# Altium PCB MainBoard_6_layers.PcbDoc (part 1 of 6) (continued)
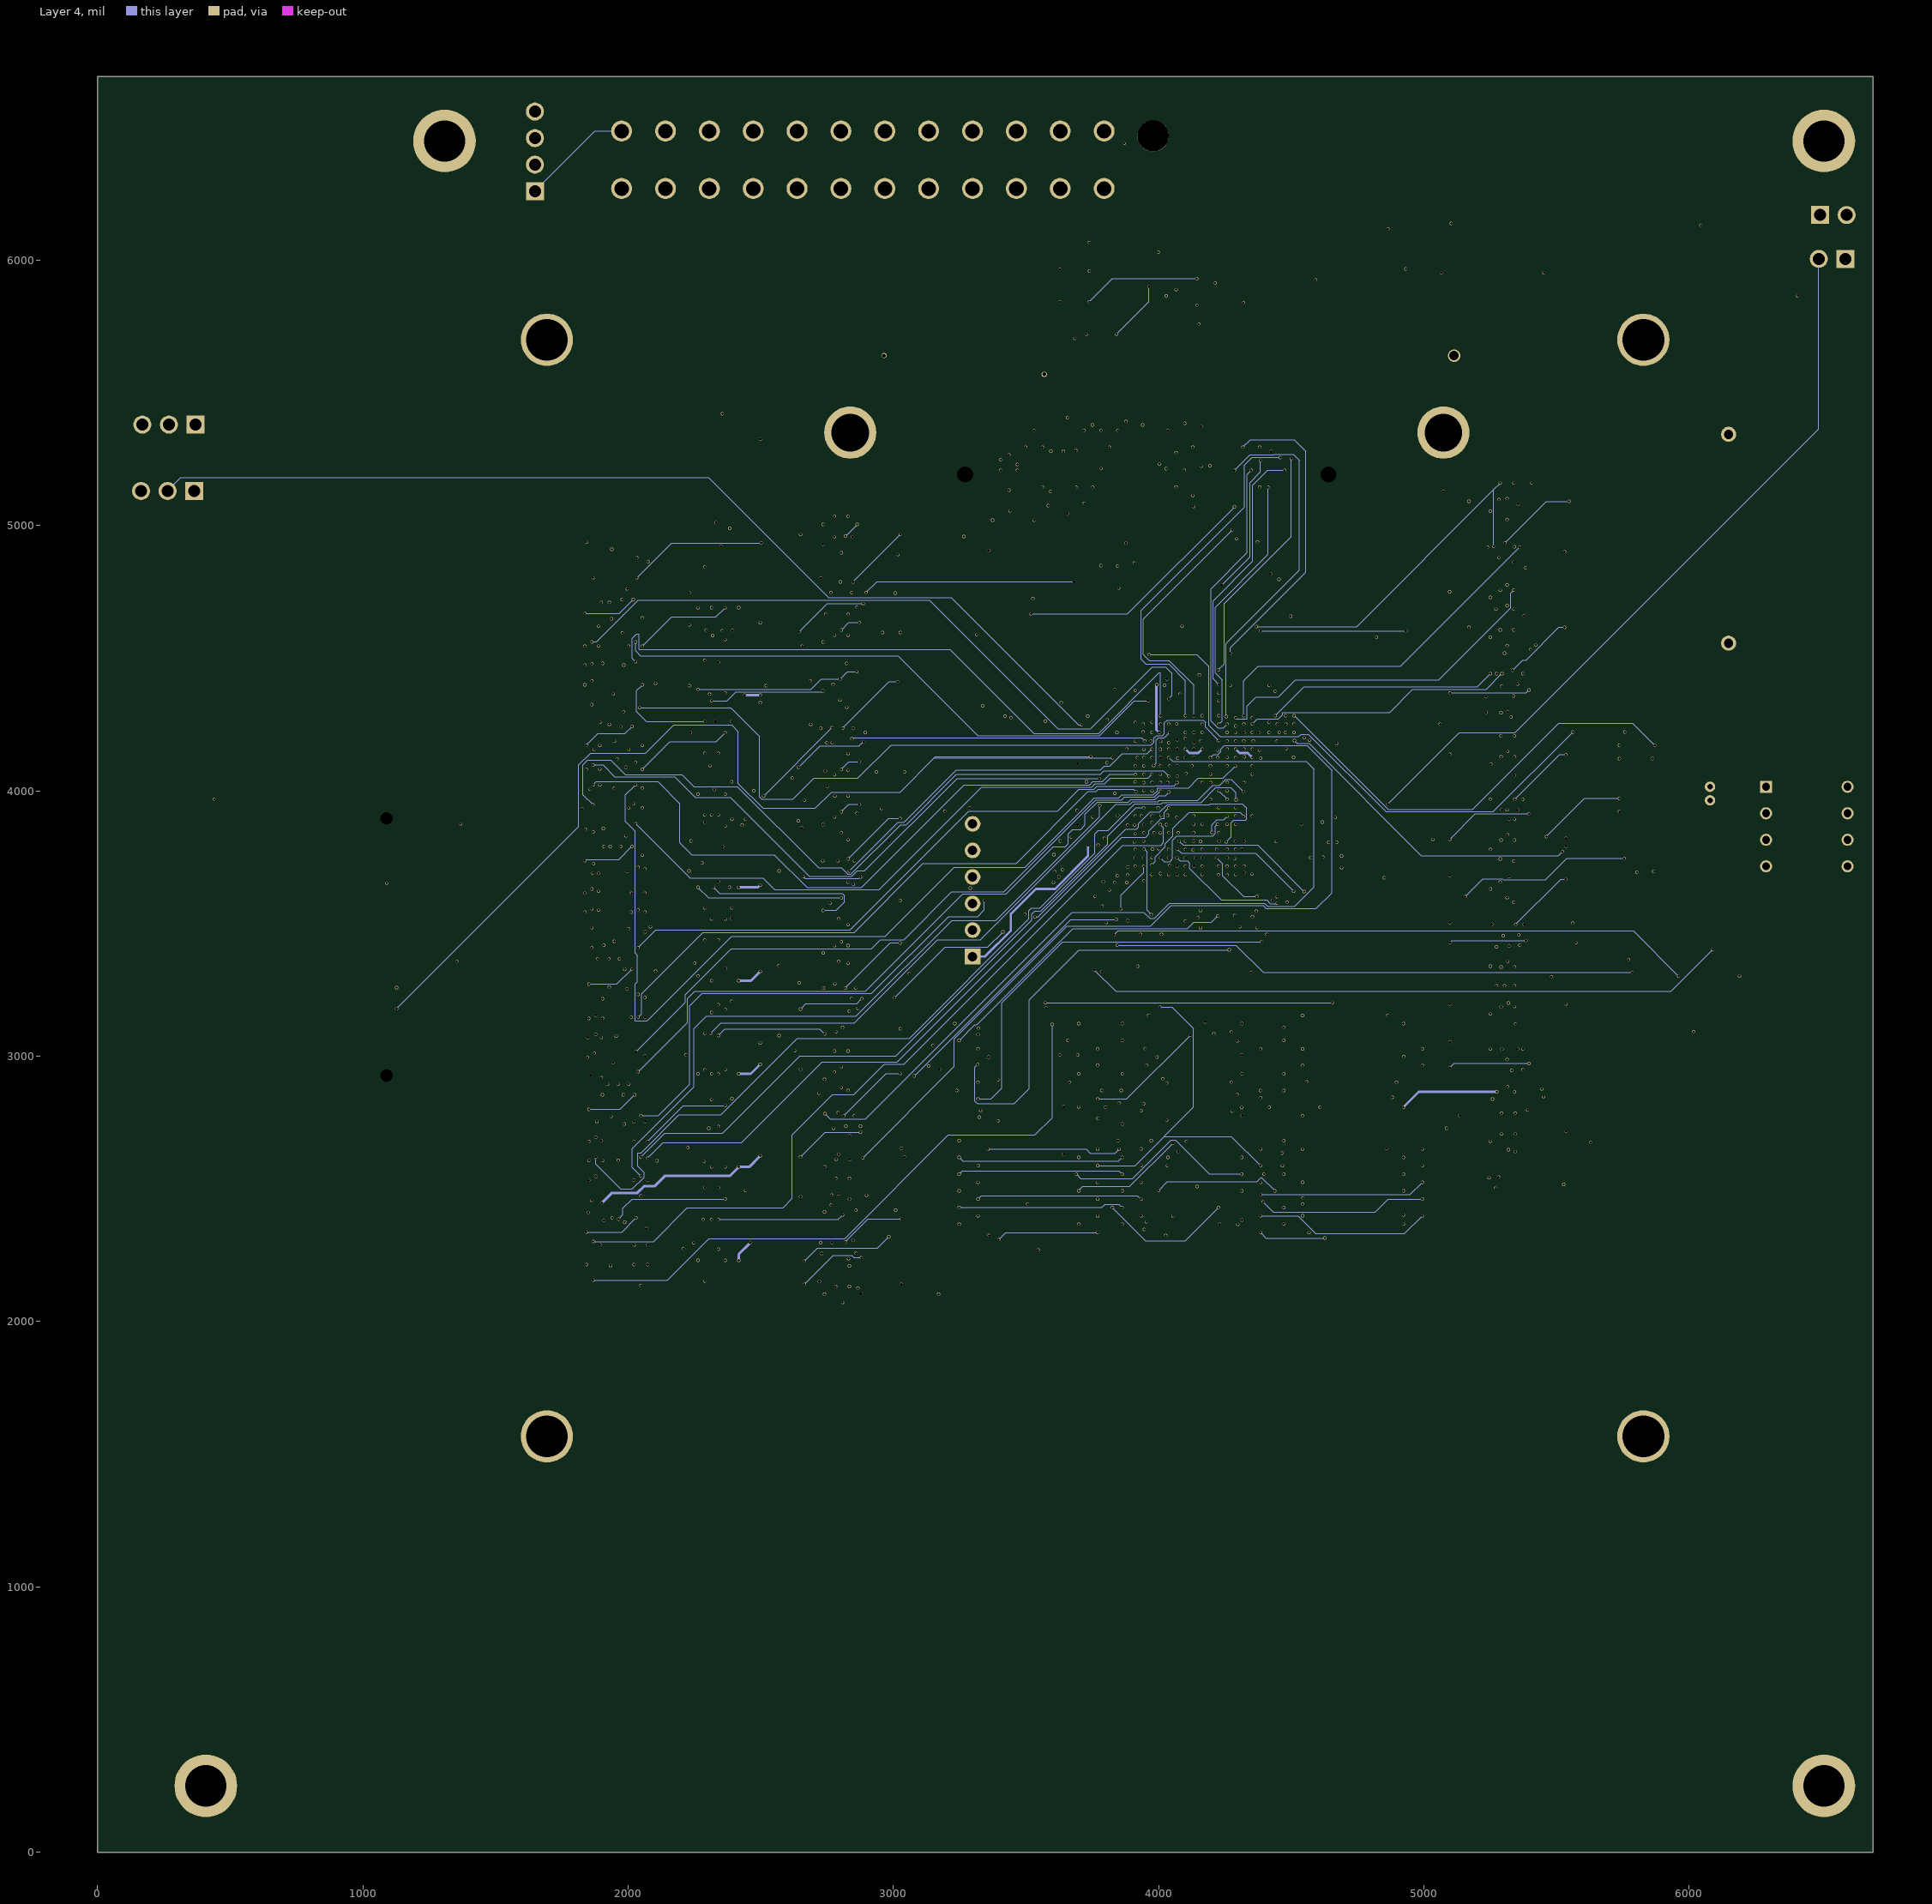
[diagram p4: Layer 4]
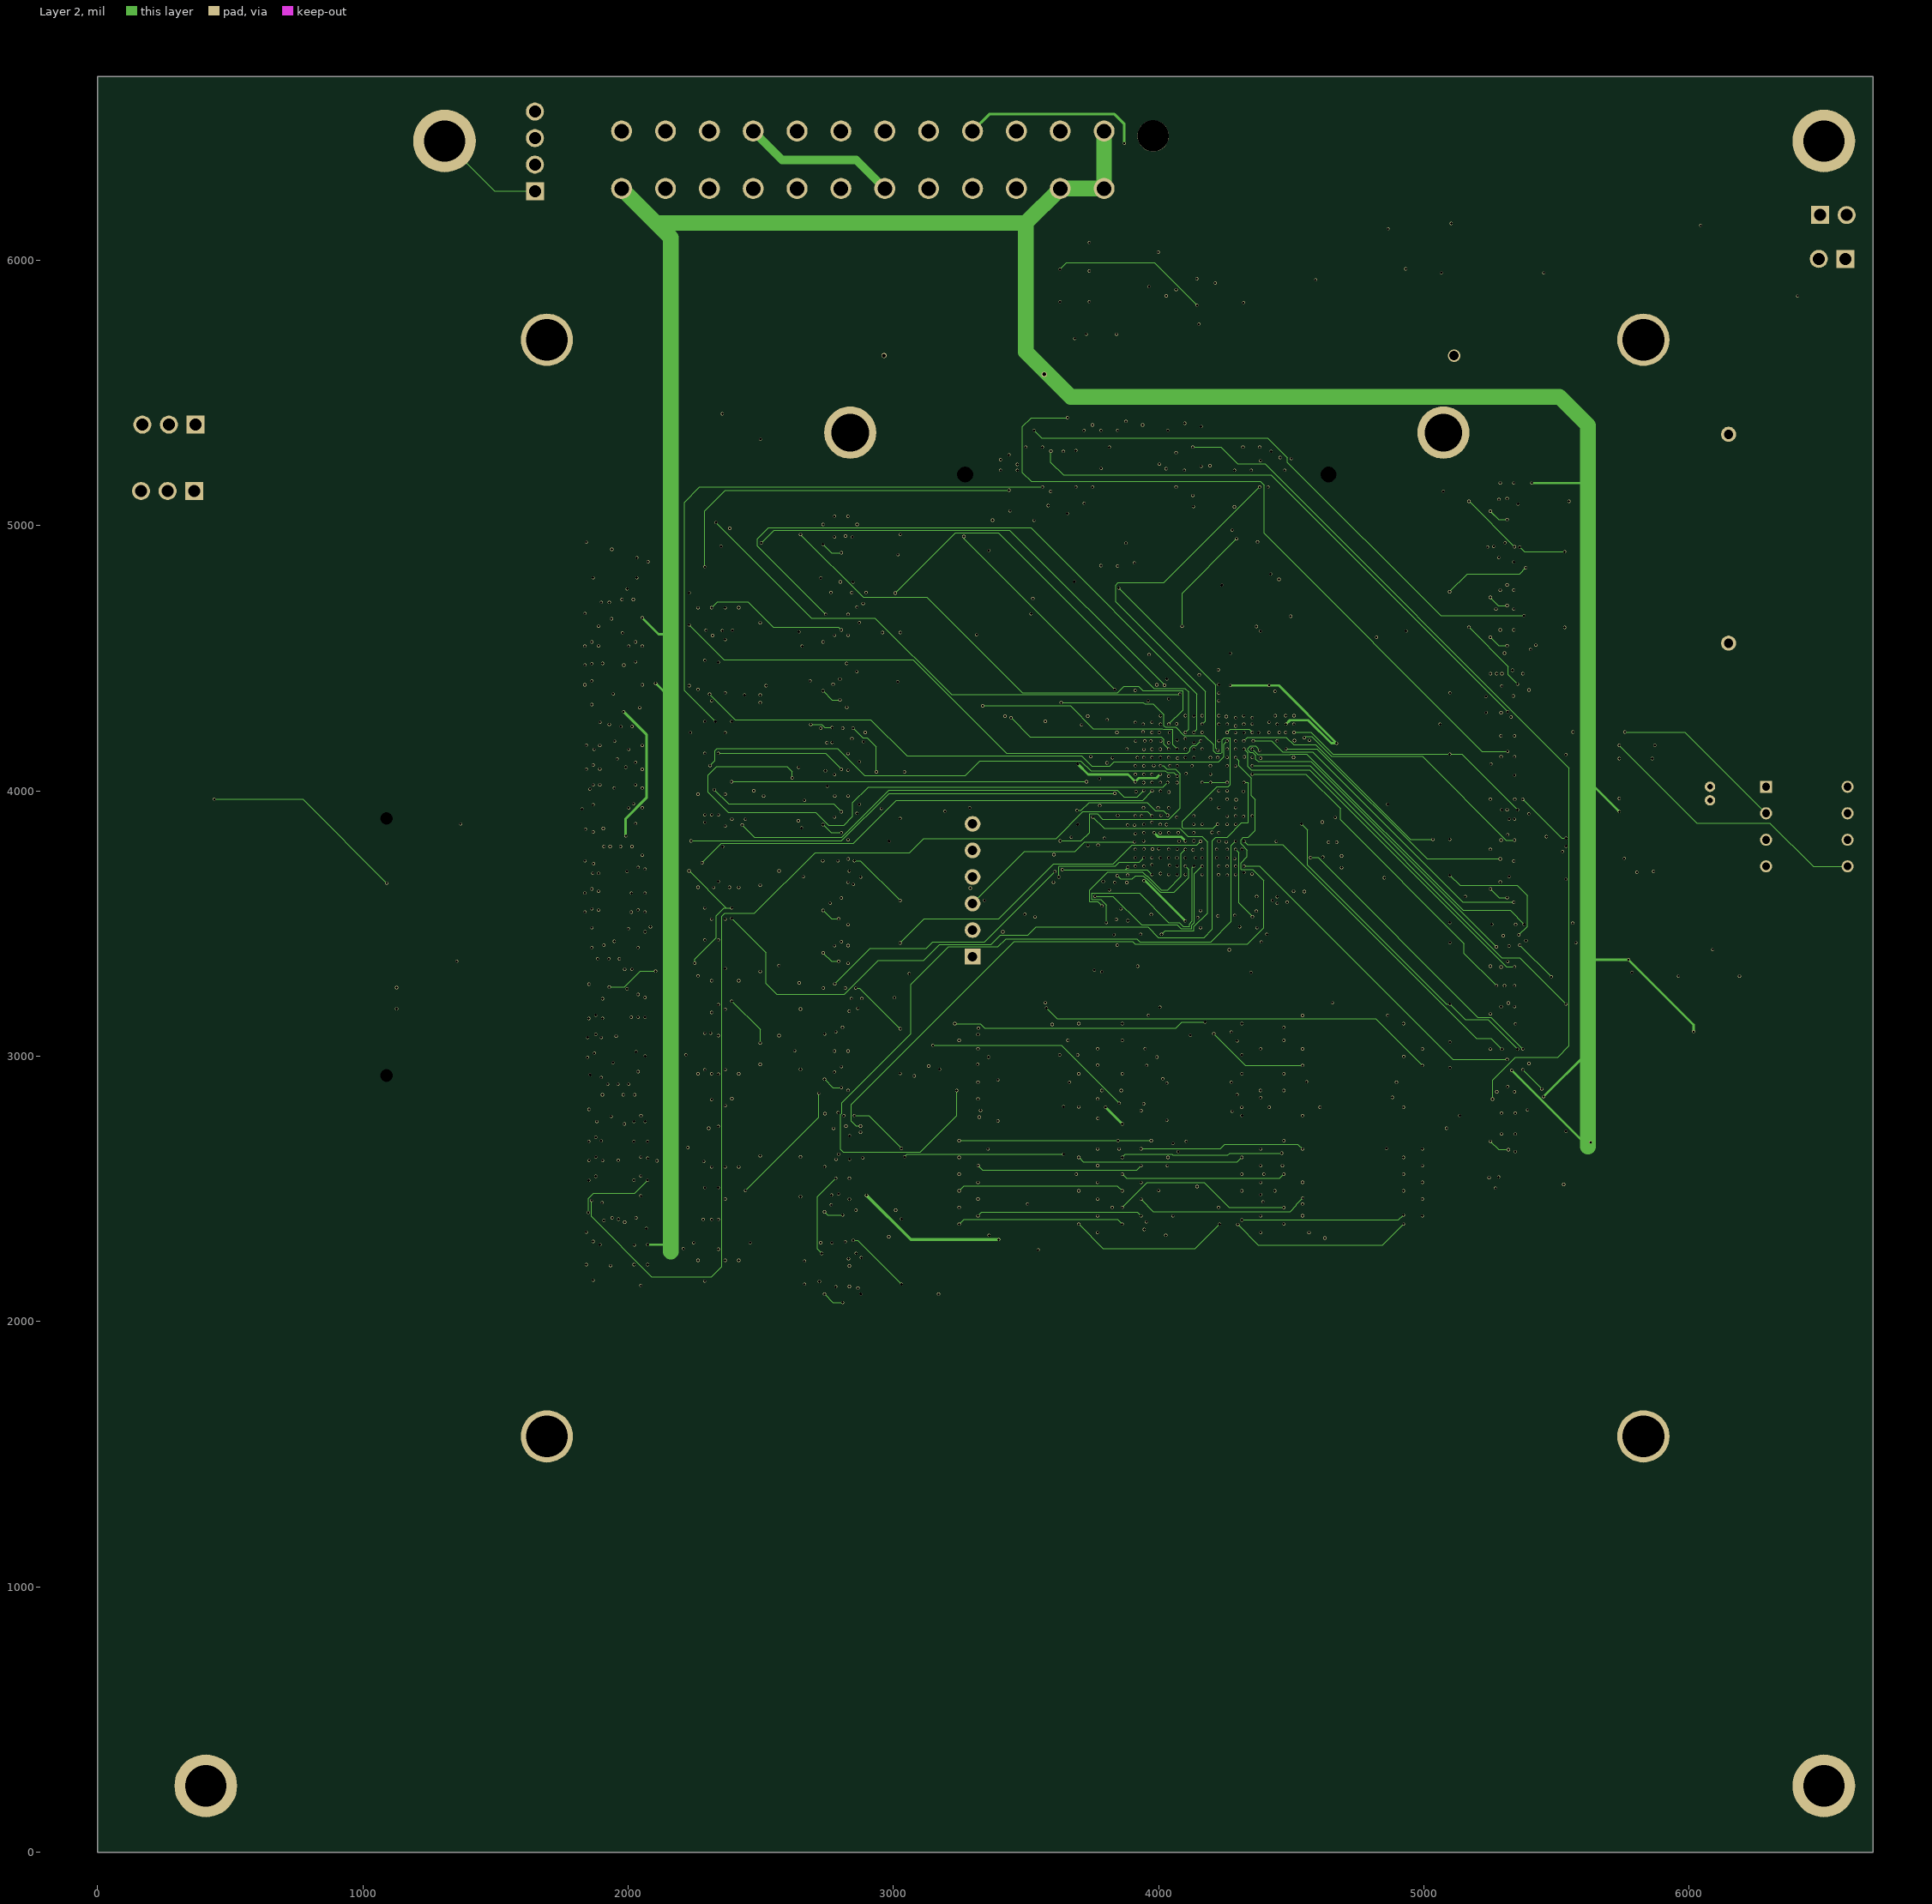
[diagram p5: Layer 2]
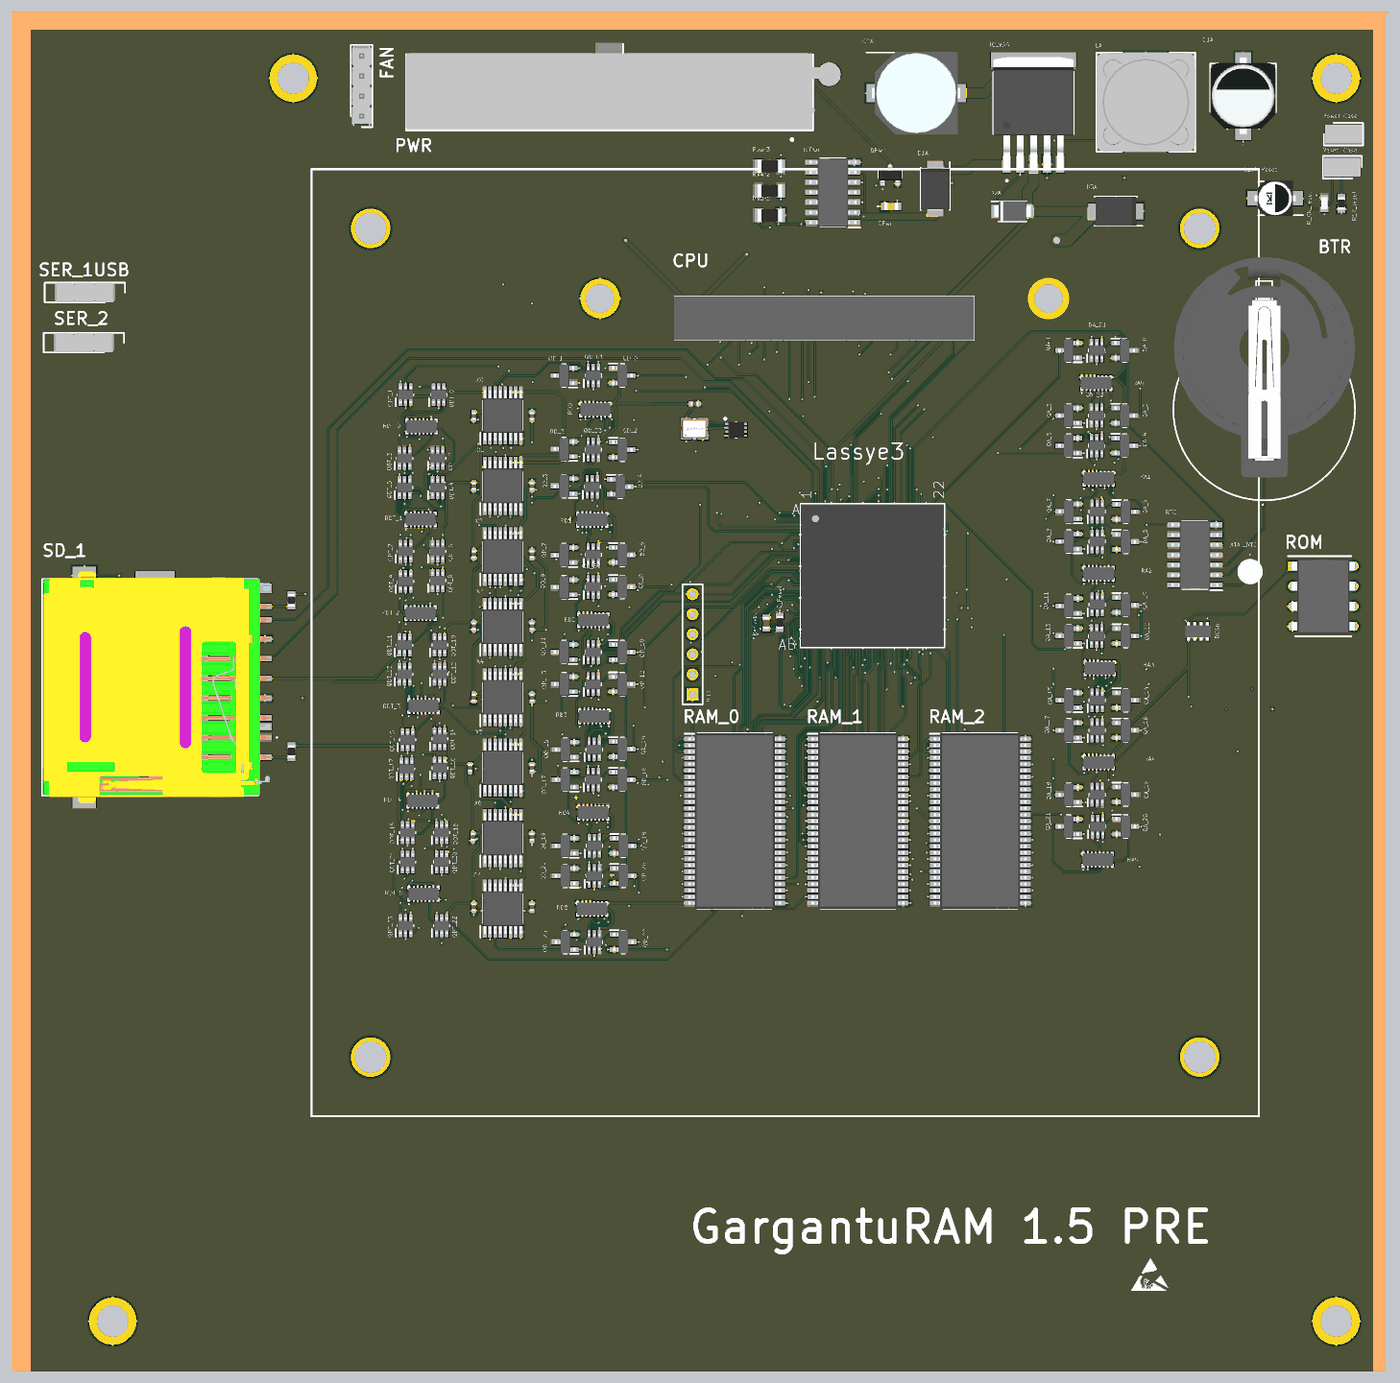
[diagram p11: 3D render of the assembled board from above, using the file's embedded part models]
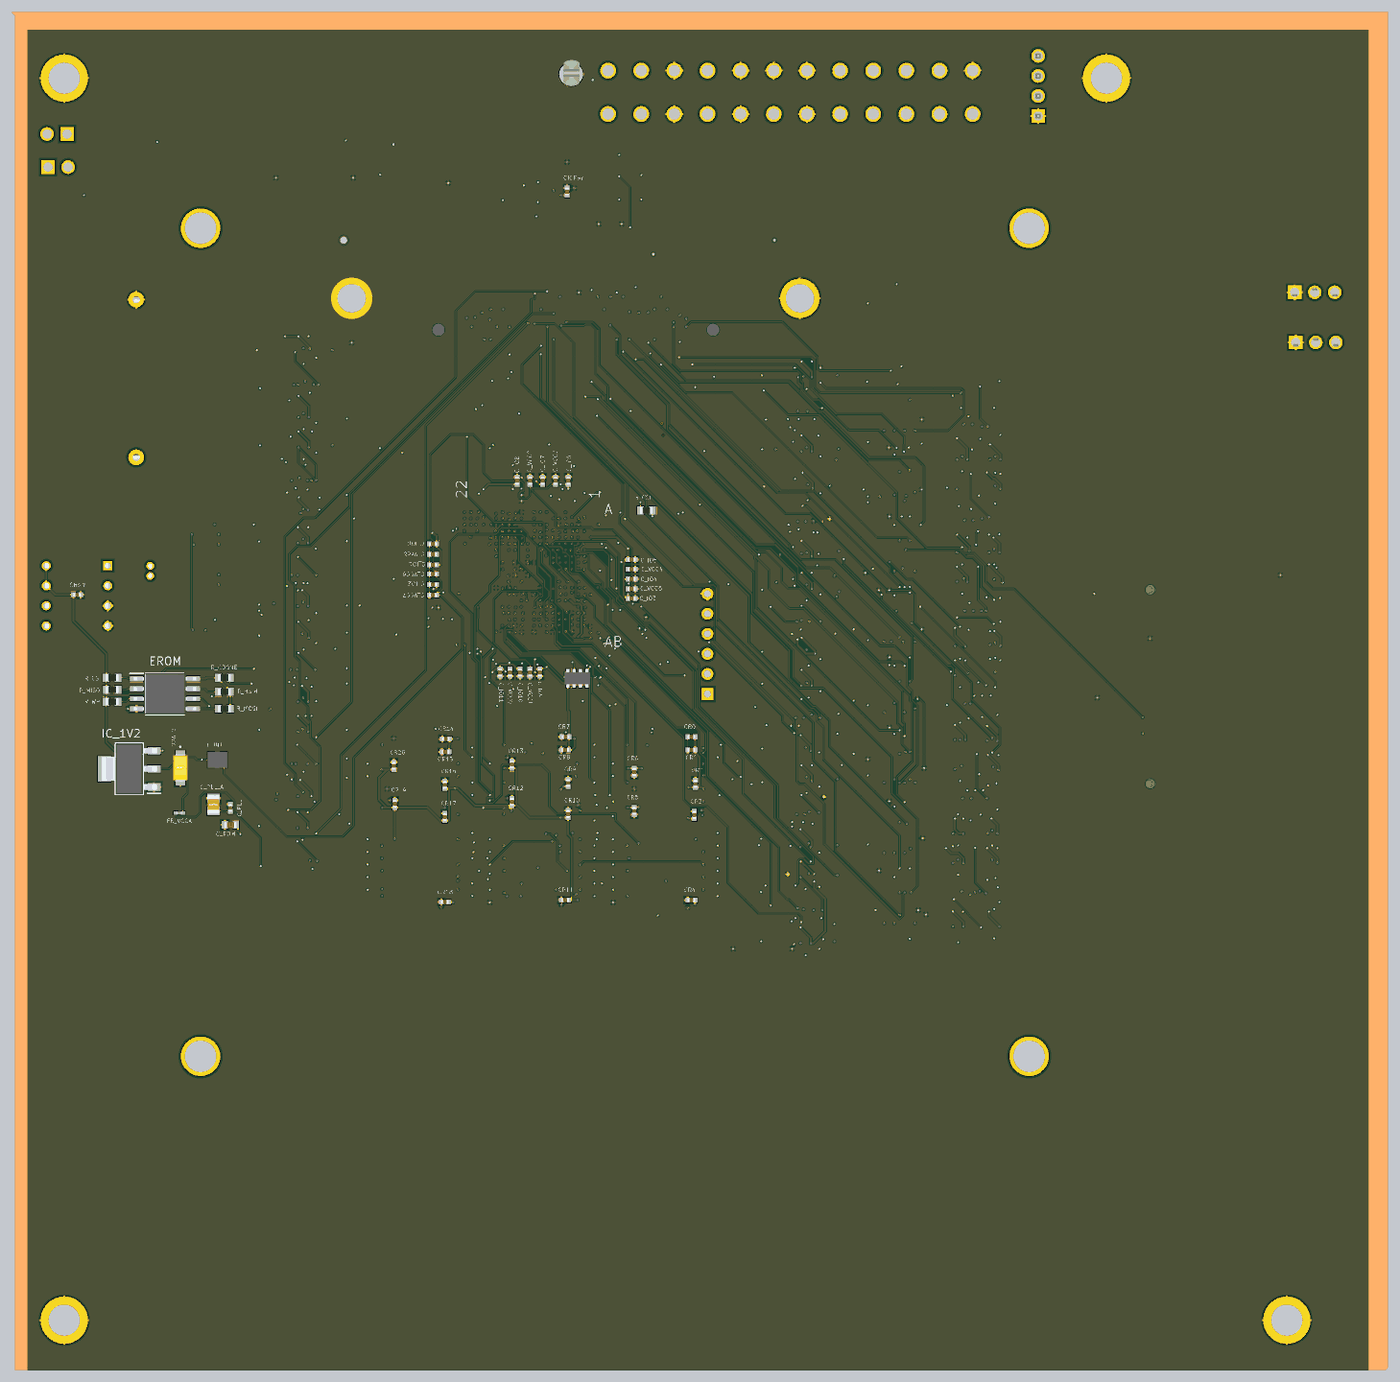
[diagram p12: 3D render of the assembled board from below, using the file's embedded part models]

## Layer stack, top to bottom
Top Solder: solder mask 0.4, Solder Resist, Dk 3.5
Top Layer: signal copper 1.4
Dielectric 2: prepreg 2.8, PP-006, Dk 4.1
Layer 1: signal copper 1.378
Dielectric 4: prepreg 2.8, PP-006, Dk 4.1
Layer 3: signal copper 1.378
Dielectric 1: dielectric 12.6, FR-4, Dk 4.8
Layer 4: signal copper 1.378
Dielectric 5: prepreg 2.8, PP-006, Dk 4.1
Layer 2: signal copper 1.378
Dielectric 3: prepreg 2.8, PP-006, Dk 4.1
Bottom Layer: signal copper 1.4
Bottom Solder: solder mask 0.4, Solder Resist, Dk 3.5

## Board outline
0,0 0,6692.91 6692.91,6692.91 6692.91,0

## Design rules (kind name [scope] priority, off if disabled: settings)
Clearance [All] p1: gap=4 ignorepadtopadclearanceinfootprint=FALSE except(12: THPad-Fill THPad-Poly THPad-Region)
HoleToHoleClearance [All] p1: gap=9.84 allowstackedmicrovias=TRUE
PlaneClearance [All] p1: clearance=59.37
PlaneConnect [All] p1: pad.planeconnectstyle=Relief pad.reliefexpansion=20 pad.reliefentries=4 pad.reliefconductorwidth=10 pad.reliefairgap=39.37 via.planeconnectstyle=Relief via.reliefexpansion=20 via.reliefentries=4 via.reliefconductorwidth=10 via.reliefairgap=10
PolygonConnect [All] p1: connectstyle=Relief reliefconductorwidth=10 reliefentries=4 polygonreliefangle="90 Angle" airgapwidth=10
RoutingCorners [All] p1: cornerstyle=45-Degree minsetback=4 maxsetback=4
RoutingVias [All] p1: holewidth=9.84 width=11.81 viastyle="Through Hole" minholewidth=9.84 minwidth=11.81 maxholewidth=9.84 maxwidth=11.81
SolderMaskExpansion [All] p1: expansion=4.29 istentingtop=FALSE
SupplyNets "Schematic Supply Nets_1" [InNet('GND')] p1: voltage=0.000
SupplyNets "Schematic Supply Nets" [InNet('+5')] p2: voltage=0.000
Width Width_12v0N [InNet('12V0N')] p1: maxlimit=78.74 minlimit=39.37 preferedwidth=59.06
Width Width_5V [InNet('+5')] p2: maxlimit=39.37 minlimit=10 preferedwidth=19.68
Width Width_VDD [InNet('VDD')] p3: maxlimit=39.37 minlimit=4.02 preferedwidth=9.02
Width Width_VSS [InNet('VSS')] p4: maxlimit=39.37 minlimit=10 preferedwidth=10
Width Width_R_W_Internal [InNet('R_W_Internal')] p5: maxlimit=39.37 minlimit=10 preferedwidth=10
Width [All] p6: maxlimit=4 minlimit=4 preferedwidth=4
26 further rules are at their usual default settings.

## Classes and differential pairs
component class SD_RTC_SPI: BTR RCSn RDAT1 RDAT2 RTC SD_1 XTAL_RTC
component class DataBUS: QA_?1 QD_0 QD_1 QD_01 QD_2 QD_3 QD_4 QD_5 QD_6 QD_7 QD_8 QD_9 QD_10 QD_11 QD_12 QD_13 QD_14 QD_15 QD_16 QD_17 QD_18 Qd_19 QD_20 QD_21 QD_22 QD_23 QD_45 QD_67 QD_89 QD_1011 QD_1213 QD_1415 QD_1617 QD_1819 QD_2021 QD_2223 QD__23 QDT_0 QDT_1 QDT_2 QDT_3 QDT_4 QDT_5 QDT_6 QDT_7 QDT_8 QDT_9 QDT_10 QDT_11 QDT_12 QDT_13 QDT_14 QDT_15 QDT_16 QDT_17 QDT_18 QDT_19 QDT_20 QDT_21 QDT_22 QDT_23 RD0 RD1 RD2 RD3 RD4 RD5 RDT_0 RDT_1 RDT_2 RDT_3 RDT_4 RDT_5
component class Clock: CK_dist Clock1 CXTAL XTAL_25
component class FPGA: C_IO0 C_IO1 C_IO2 C_IO3 C_IO4 C_IO5 C_IO6 C_IO7 C_IO8 C_IO9 C_IO10 C_IO11 C_ROM C_VCC0 C_VCC1 C_VCC2 C_VCC3 C_VCC4 C_VCC5 C_VCC6 C_VCC7 C_Vcc8 CFG EROM Lassye3 R_CDONE R_CS R_CSI R_Hold R_MISO R_MOSI R_WP Rk ROM2
component class AddressBUS: QA_0 QA_1 QA_01 QA_2 QA_3 QA_4 QA_5 QA_6 QA_7 QA_8 QA_9 QA_10 QA_11 QA_12 QA_13 QA_14 QA_15 QA_16 QA_17 QA_18 QA_19 QA_20 QA_21 QA_23 QA_45 QA_67 QA_89 QA_1011 QA_1213 QA_1415 QA_1617 QA_1819 QA_2021 RA0 RA1 RA2 RA3 RA4 RA5
component class RAM: CR0 CR1 CR2 CR3 CR4 CR5 CR6 CR7 CR8 CR9 CR10 CR11 CR12 CR13 CR14 CR15 CR16 CR17 CR18 CR19 CR20 RAM_0 RAM_1 RAM_2
component class CPU_and_EXPANSION_BUS: C_X0N C_X0P C_X1N C_X1P C_X2N C_X2P C_X3N C_X3P C_X4N C_X4P C_X5N C_X5P C_X6N C_X6P C_X7N C_X7P CPU X0 X1 X2 X3 X4 X5 X6 X7
component class Serial_Ports: SER_1USB SER_2
component class Power: C1A C1uF_Reset C2A C_PLL C_PLL_A C_Reset C_VCC CICPwr CPwr D1A D2A D3A FAN FB_VCCA IC_1V2 IC_VSS ICPwr L_INT LA Power_Case PWR QPwr R1K_reset R10K_reset R_Reset Reset-Case Rpwr1 Rpwr2 Rpwr3 S?1 Switch1
component class ROM: CRom ROM ROM2

## Components (designator, comment, footprint, x,y, rotation, side; value= is the part's Value field where it differs from the comment)
BTR "1066" 1066 6148.66,4557.2 r90 top
C1A "EEE-HC1E101P" EEHZT1E331UP 6043.66,6359.95 r90 top
C1uF_Reset "EDH105M050A9BAA" CAPAE430X565N 6203.66,5851.05 r180 top
C2A "AEF1010221M035R" CAPAE1030X1050N 4413.66,6376.05 r0 top
C_IO0 "GRM155R71C104JA88J" CAPC1005X55N 4667.91,4125 r180 bottom
C_IO1 "GRM155R71C104JA88J" CAPC1005X55N 4667.91,4021 r180 bottom
C_IO2 "GRM155R71C104JA88J" CAPC1005X55N 4667.91,3922 r180 bottom
C_IO3 "GRM155R71C104JA88J" CAPC1005X55N 3676.77,3852.12 r0 bottom
C_IO4 "GRM155R71C104JA88J" CAPC1005X55N 3676.77,3949.62 r0 bottom
C_IO5 "GRM155R71C104JA88J" CAPC1005X55N 3676.77,4047.12 r0 bottom
C_IO6 "GRM155R71C104JA88J" CAPC1005X55N 3992.91,4440.32 r270 bottom
C_IO7 "GRM155R71C104JA88J" CAPC1005X55N 4120.41,4440.32 r270 bottom
C_IO8 "GRM155R71C104JA88J" CAPC1005X55N 4247.91,4440.32 r270 bottom
C_IO9 "GRM155R71C104JA88J" CAPC1005X55N 4134.71,3483.11 r90 bottom
C_IO10 "GRM155R71C104JA88J" CAPC1005X55N 4233.81,3483.11 r90 bottom
C_IO11 "GRM155R71C104JA88J" CAPC1005X55N 4332.91,3483.11 r90 bottom
C_PLL "GRM155R71C104JA88J" CAPC1005X55N 5678.66,2807.2 r90 bottom
C_PLL_A "C0805X475J3RACAUTO7210" CAPC2012X145N 5763.66,2824.09 r90 bottom
C_Reset "GRM188C81A106KA73D" CAPC1608X90N 3666.56,3732.12 r270 top
C_ROM "0603YC104K4T2A" CAPC1608X90N 5678.66,2722.2 r180 bottom
C_VCC "T491A105K025AT" T491A 5928.66,3007.2 r270 bottom
C_VCC0 "GRM155R71C104JA88J" CAPC1005X55N 4283.36,3483.11 r90 bottom
C_VCC1 "GRM155R71C104JA88J" CAPC1005X55N 4184.26,3483.11 r90 bottom
C_VCC2 "GRM155R71C104JA88J" CAPC1005X55N 4184.16,4440.32 r270 bottom
C_VCC3 "GRM155R71C104JA88J" CAPC1005X55N 4056.66,4440.32 r270 bottom
C_VCC4 "GRM155R71C104JA88J" CAPC1005X55N 3676.77,3998.37 r0 bottom
C_VCC5 "GRM155R71C104JA88J" CAPC1005X55N 3676.77,3900.87 r0 bottom
C_VCC6 "GRM155R71C104JA88J" CAPC1005X55N 4667.91,3974 r180 bottom
C_VCC7 "GRM155R71C104JA88J" CAPC1005X55N 4667.91,3870 r180 bottom
C_Vcc8 "GRM155R71C104JA88J" CAPC1005X55N 4667.91,4073 r180 bottom
C_X0N "GRM155R71C104JA88J" CAPC1005X55N 2497.91,4765 r270 top
C_X0P "GRM155R71C104JA88J" CAPC1005X55N 2207.91,4765 r90 top
C_X1N "GRM155R71C104JA88J" CAPC1005X55N 2497.91,4415 r270 top
C_X1P "GRM155R71C104JA88J" CAPC1005X55N 2207.91,4415 r90 top
C_X2N "GRM155R71C104JA88J" CAPC1005X55N 2497.91,4075 r270 top
C_X2P "GRM155R71C104JA88J" CAPC1005X55N 2207.91,4075 r90 top
C_X3N "GRM155R71C104JA88J" CAPC1005X55N 2497.91,3716.89 r270 top
C_X3P "GRM155R71C104JA88J" CAPC1005X55N 2207.67,3716.89 r90 top
C_X4N "GRM155R71C104JA88J" CAPC1005X55N 2497.91,3360 r270 top
C_X4P "GRM155R71C104JA88J" CAPC1005X55N 2207.67,3360 r90 top
C_X5N "GRM155R71C104JA88J" CAPC1005X55N 2497.91,3010 r270 top
C_X5P "GRM155R71C104JA88J" CAPC1005X55N 2189.95,3010 r90 top
C_X6N "GRM155R71C104JA88J" CAPC1005X55N 2497.91,2665 r270 top
C_X6P "GRM155R71C104JA88J" CAPC1005X55N 2202.91,2665 r90 top
C_X7N "GRM155R71C104JA88J" CAPC1005X55N 2497.91,2315 r270 top
C_X7P "GRM155R71C104JA88J" CAPC1005X55N 2207.91,2315 r90 top
CFG "Header 6" HDR1X6 3298.66,3376.05 r90 top
CICPwr "GRM155R71C104JA88D" CAPC1005X55N 3998.66,5884.16 r90 bottom
CK_dist "LMK1C1104DQFR" SON50P200X200X80-8N 3516.14,4696.21 r0 top
CPU "ER8-80P-0.8SV-5H" ER880P08SV5H 3955.55,5252.63 r0 top
CPwr "C0603X103G5JACTU" C0603 4288.66,5811.05 r0 top
CR0 "GRM155R71C104JA88D" CAPC1005X55N 3378.66,3162.12 r0 bottom
CR1 "GRM155R71C104JA88D" CAPC1005X55N 3378.66,3097.12 r0 bottom
CR2 "GRM155R71C104JA88D" CAPC1005X55N 3358.66,2927.12 r90 bottom
CR3 "GRM155R71C104JA88D" CAPC1005X55N 3363.66,2772.12 r90 bottom
CR4 "GRM155R71C104JA88D" CAPC1005X55N 3378.66,2347.12 r0 bottom
CR5 "GRM155R71C104JA88D" CAPC1005X55N 3663.66,2792.12 r270 bottom
CR6 "GRM155R71C104JA88D" CAPC1005X55N 3663.66,2987.12 r270 bottom
CR7 "GRM155R71C104JA88D" CAPC1005X55N 4006.77,3162.12 r0 bottom
CR8 "GRM155R71C104JA88D" CAPC1005X55N 4008.66,3097.12 r0 bottom
CR9 "GRM155R71C104JA88D" CAPC1005X55N 3993.66,2932.12 r90 bottom
CR10 "GRM155R71C104JA88D" CAPC1005X55N 3993.66,2777.12 r90 bottom
CR11 "GRM155R71C104JA88D" CAPC1005X55N 4008.66,2347.12 r0 bottom
CR12 "GRM155R71C104JA88D" CAPC1005X55N 4273.66,2837.12 r90 bottom
CR13 "GRM155R71C104JA88D" CAPC1005X55N 4273.66,3024.01 r90 bottom
CR14 "GRM155R71C104JA88D" CAPC1005X55N 4603.66,3152.12 r0 bottom
CR15 "GRM155R71C104JA88D" CAPC1005X55N 4605.55,3087.12 r0 bottom
CR16 "GRM155R71C104JA88D" CAPC1005X55N 4608.66,2922.12 r90 bottom
CR17 "GRM155R71C104JA88D" CAPC1005X55N 4608.66,2762.12 r90 bottom
CR18 "GRM155R71C104JA88D" CAPC1005X55N 4608.66,2337.12 r0 bottom
CR19 "GRM155R71C104JA88D" CAPC1005X55N 4858.66,2827.12 r90 bottom
CR20 "GRM155R71C104JA88D" CAPC1005X55N 4863.66,3017.12 r90 bottom
CRom "GRM155R71C104JA88D" CAPC1005X55N 6443.66,3871.05 r180 bottom
CXTAL "GRM155R71C104JA88D" CAPC1005X55N 3308.66,4826.05 r0 top
D1A "SK54-3G" DIOM5437X240N 4508.66,5898.57 r270 top
D2A "SS54F-HF" SODFL4626X120N 4893.66,5786.05 r0 top
D3A "SK54-3G" DIOM5437X240N 5408.66,5786.05 r180 top
EROM "W25Q32JVSSIQ" SOIC127P790X216-8N 6005.39,3377.2 r180 bottom
FAN "22-28-4042" HDRV4W66P0X254_1X4_1016X249X1003P 1648.66,6261.05 r90 top
FB_VCCA "MMZ0603F330CT000" BEADC0603X33N 5933.66,2782.2 r0 bottom
IC_1V2 "LD1117S12TR" SOT230P700X180-4N 6183.66,3002.2 r0 bottom
IC_VSS "LM2596SX-3.3_NOPB" KTT0005B 4998.66,6511.17 r270 top
ICPwr "SN74HC74D" SOIC127P600X175-14N 3998.66,5881.05 r180 top
L_INT "TYA2520124R7M-10" TYA2520124R7M10 5743.66,3047.2 r270 bottom
LA "SRR1260-330M" SRR1260-150M 5558.66,6330.42 r270 top
Lassye3 "T120F484I4" FBGA484_TRION_EFI 4195.43,3968.93 r0 top
Power_Case "5-146277-2" HDRV2W67P0X254_1X2_467X234X823P 6493.66,6171.05 r0 top